# KiCad board cvbs-mipi-bridge.kicad_pcb (continued)
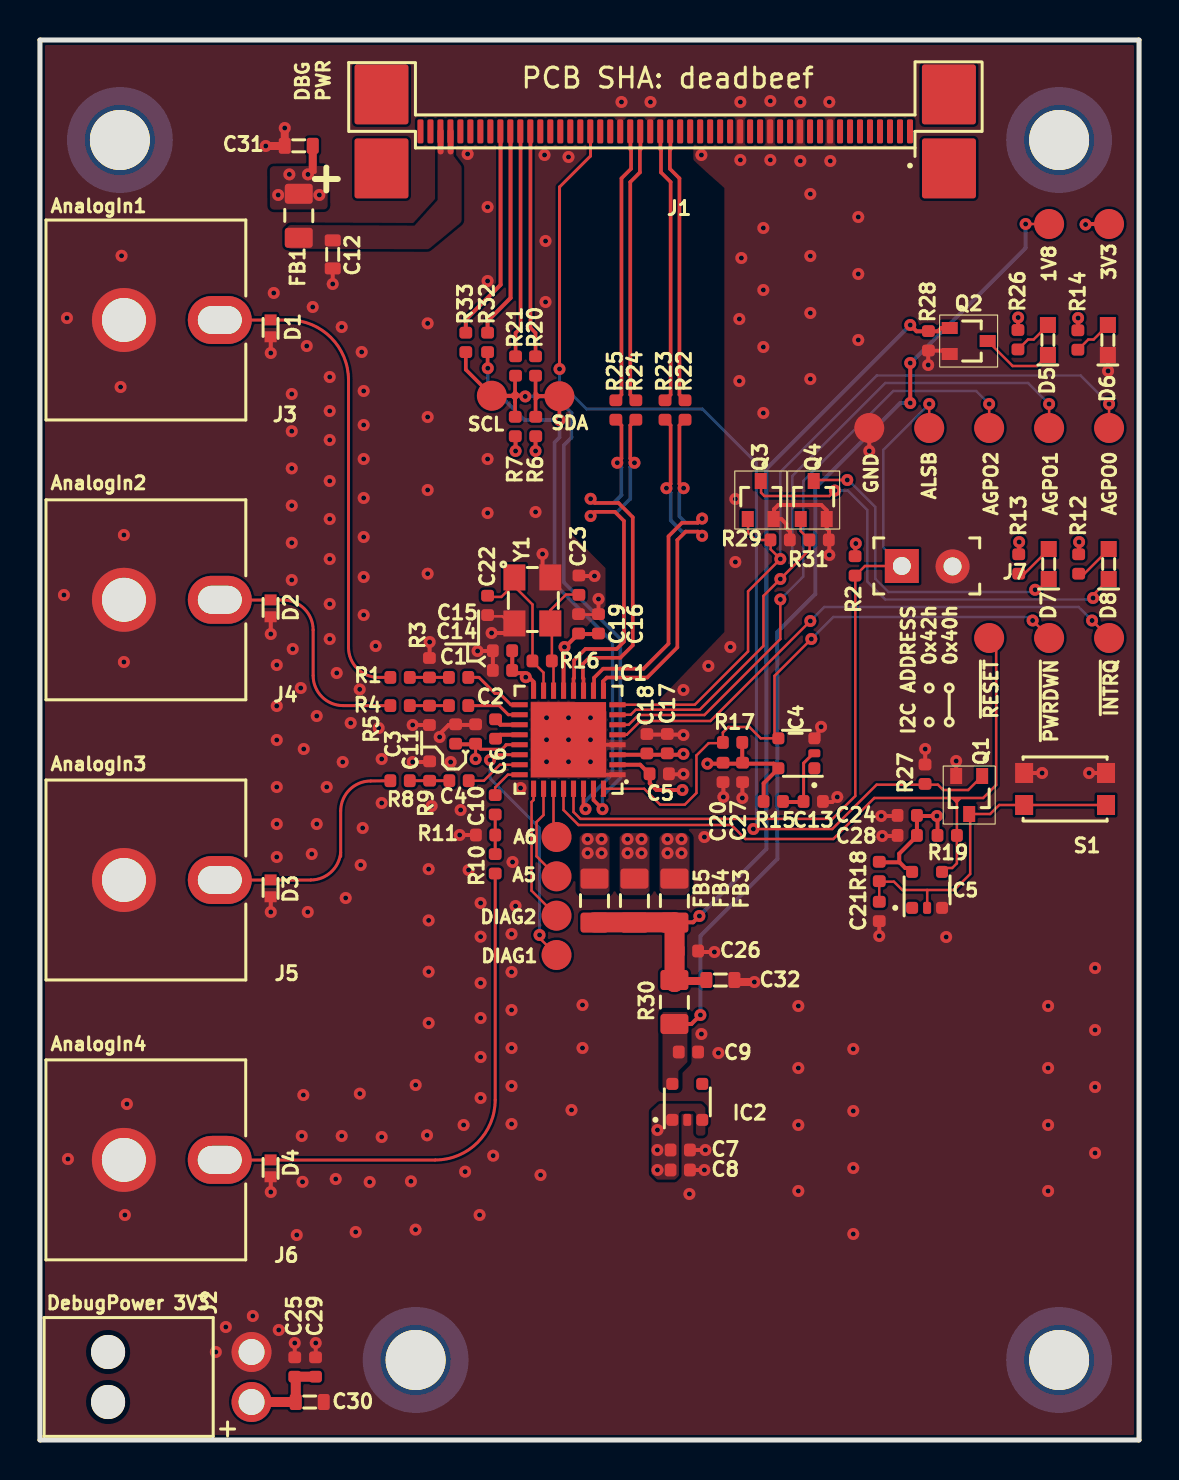
[diagram p0: board, top side]
## Library data of the parts (continued)
R27 = -: Author: Antmicro; License: Apache-2.0; MPN: CR0402-FX-1003GLF; Manufacturer: Bourns; Tolerance: 1%; Val: 100k; Field11: Author: Antmicro; Field12: License: Apache-2.0
R28 = -: Author: Antmicro; License: Apache-2.0; MPN: CR0402-FX-1003GLF; Manufacturer: Bourns; Tolerance: 1%; Val: 100k; Field10: Author: Antmicro; Field12: License: Apache-2.0
R29 = -: Author: Antmicro; License: Apache-2.0; MPN: CR0402-FX-1003GLF; Manufacturer: Bourns; Tolerance: 1%; Val: 100k; Field10: License: Apache-2.0; Field12: Author: Antmicro
R30 = -: Author: Antmicro; Current: 2.5A; License: Apache-2.0; MPN: CRCW08050000Z0EA; Manufacturer: Vishay; Val: 0R; Field11: License: Apache-2.0; Field12: Author: Antmicro
R31 = -: Author: Antmicro; License: Apache-2.0; MPN: CR0402-FX-1003GLF; Manufacturer: Bourns; Tolerance: 1%; Val: 100k; Field10: License: Apache-2.0; Field11: Author: Antmicro
REF** = -: Field5: License: Apache-2.0; Field6: Author: Antmicro
REF**#2 = -: Field4: License: Apache-2.0; Field5: Author: Antmicro
S1 = -: Author: Antmicro; License: Apache-2.0; MPN: KMR211NGLFS; Manufacturer: C&K; Field9: License: Apache-2.0; Field10: Author: Antmicro
TP1 TP3 TP6 TP7 = -: Author: Antmicro; License: Apache-2.0; Field8: License: Apache-2.0; Field9: Author: Antmicro
TP2 TP5 TP16 = -: Author: Antmicro; License: Apache-2.0; Field8: Author: Antmicro; Field9: License: Apache-2.0
TP4 TP11 TP15 = -: Author: Antmicro; License: Apache-2.0; Field9: Author: Antmicro; Field10: License: Apache-2.0
TP8 TP10 TP12 = -: Author: Antmicro; License: Apache-2.0; Field8: License: Apache-2.0; Field10: Author: Antmicro
TP9 TP13 TP14 = -: Author: Antmicro; License: Apache-2.0; Field8: Author: Antmicro; Field10: License: Apache-2.0
Y1 = -: Author: Antmicro; License: Apache-2.0; MPN: ABM8G-28.63636MHZ-18-D2Y-T; Manufacturer: Abracon; Field8: Author: Antmicro; Field10: License: Apache-2.0

## Footprints (pads in the part's own frame, mm; a bottom-side part is the same pattern mirrored in y, then rotated)
C_0402_1005Metric
  rrect 0.59x0.64 smd: 1(-0.484,0) 2(0.484,0)
C_0603_1608Metric
  rrect 0.6x0.8 smd: 1(-0.7,0) 2(0.7,0)
FB_0805_2012Metric
  rrect 1x1.4 smd: 1(-1.1,0.001) 2(1.1,0.001)
LED_0603_1608Metric_G
  rect 0.8x0.8 smd: 1(-0.75,0) 2(0.75,0)
LFCSP-32-1EP-5x5mm
  rrect 1.678x1.678 smd: (-0.941,0.941)
  rrect 1.678x1.679 smd: (-0.941,-0.94)
  rrect 1.679x1.678 smd: (0.94,0.941)
  rrect 1.679x1.679 smd: (0.94,-0.94)
  rect 0.813x0.254 smd: 1(-2.452,1.75) 2(-2.452,1.25) 3(-2.452,0.751) 4(-2.452,0.25) 5(-2.452,-0.248) 6(-2.452,-0.749) 7(-2.452,-1.249) 8(-2.452,-1.749) 17(2.451,-1.749) 18(2.451,-1.249) 19(2.451,-0.749) 20(2.451,-0.248) 21(2.451,0.25) 22(2.451,0.751) 23(2.451,1.25) 24(2.451,1.75)
  rect 0.254x0.813 smd: 9(-1.75,-2.451) 10(-1.25,-2.451) 11(-0.751,-2.451) 12(-0.25,-2.451) 13(0.248,-2.451) 14(0.749,-2.451) 15(1.249,-2.451) 16(1.749,-2.451) 25(1.749,2.452) 26(1.249,2.452) 27(0.749,2.452) 28(0.248,2.452) 29(-0.25,2.452) 30(-0.751,2.452) 31(-1.25,2.452) 32(-1.75,2.452)
  rect 3.759x3.759 smd: 33(0,0)
Oscillator_SMD_Geyer_KX-7-4Pin_3.2x2.5mm
  rrect 1.3x1.1 smd: 1(-1.101,-0.949)
  rect 1.3x1.1 smd: 2(1.199,-0.949) 3(1.199,0.85) 4(-1.101,0.85)
PinHeader_1x2_P2.5mm_Drill1.1mm_Shrouded_Latch
  round 1.71 hole 1.7 unplated: (-2.5,-7.179) (0,-7.179)
  round 2 hole 1.3: 1(0,0) 2(-2.5,0)
PinHeader_1x2_P2.54_Drill0.9mm
  rect 1.7x1.7 hole 0.9: 1(0,0)
  round 1.7 hole 0.9: 2(2.539,-0.02)
R_0402_1005Metric
  rrect 0.59x0.64 smd: 1(-0.485,0) 2(0.485,0)
R_0805_2012Metric
  rrect 1x1.4 smd: 1(-1.1,0.001) 2(1.1,0.001)
RCA_PHONO_JACK_KLPX-0848A-2-Y
  round 3.2 hole 2.2: 1(0,0)
  oval 3.2x2.4 hole 2.2x1.4: 2(4.799,0)
SC70-3
  rect 0.8x0.6 smd: 1(-0.95,0.65) 2(-0.95,-0.65) 3(0.95,0)
SC-70-5
  rrect 0.6x0.6 smd: 1(-0.756,-0.893) 3(0.743,-0.893) 4(0.743,0.907) 5(-0.756,0.907)
  rrect 0.4x0.6 smd: 2(-0.006,-0.893)
SLP1006P2T
  rect 0.55x0.6 smd: 1(-0.421,0) 2(0.425,0)
Spacer_SMD_M2_H3mm_Wurth_9774030243R
  custom 2.227x2.227 smd: (-1.453,-1.453) (-1.453,1.453) (1.453,-1.453) (1.453,1.453)
  round 3 hole 3 unplated: (0,0)
  round 5.3 smd: 1(0,0)
SW_SPST_4.2x2.8
  rect 0.9x1 smd: 1(2.048,0.802) 2(2.048,-0.8) 3(-2.05,0.802) 4(-2.05,-0.8)
TP_SMD_1.5mm
  round 1.5 smd: 1(0,0)
WE_68715014522
  rrect 0.3x1.2 smd: 1(-12.25,2.15) 2(-11.75,2.15) 3(-11.25,2.15) 4(-10.75,2.15) 5(-10.25,2.15) 6(-9.75,2.15) 7(-9.25,2.15) 8(-8.75,2.15) 9(-8.25,2.15) 10(-7.75,2.15) 11(-7.25,2.15) 12(-6.75,2.15) 13(-6.25,2.15) 14(-5.75,2.15) 15(-5.25,2.15) 16(-4.75,2.15) 17(-4.25,2.15) 18(-3.75,2.15) 19(-3.25,2.15) 20(-2.75,2.15) 21(-2.25,2.15) 22(-1.75,2.15) 23(-1.25,2.15) 24(-0.75,2.15) 25(-0.25,2.15) 26(0.248,2.15) 27(0.748,2.15) 28(1.249,2.15) 29(1.749,2.15) 30(2.249,2.15) 31(2.749,2.15) 32(3.249,2.15) 33(3.749,2.15) 34(4.248,2.15) 35(4.748,2.15) 36(5.248,2.15) 37(5.749,2.15) 38(6.249,2.15) 39(6.749,2.15) 40(7.249,2.15) 41(7.749,2.15) 42(8.249,2.15) 43(8.749,2.15) 44(9.249,2.15) 45(9.749,2.15) 46(10.249,2.15) 47(10.749,2.15) 48(11.249,2.15) 49(11.749,2.15) 50(12.249,2.15)
  rrect 2.7x3 smd: ~(-14.201,4) ~(-14.198,0.3) ~(14.198,4) ~(14.198,0.3)

## Nets
1V8_SYS: C26.1 C32.1 FB3.1 FB4.1 FB5.1 Q2.1 R28.2 R30.2
3V3_SYS: C5.1 C7.1 C8.1 C20.1 C24.2 C25.1 C27.2 C28.1 C29.1 C30.1 C31.1 FB1.1 IC1.2 IC2.1 IC2.3 IC4.5 IC5.5 J2.1 R2.1 R6.2 R7.2 R12.2 R13.2 R14.1 R15.2 R17.2 R18.2 R19.2 R26.1 TP5.1
AVDD_1V8: C14.1 C15.2 FB4.2 IC1.16
DGND: C3.2 C5.2 C7.2 C8.2 C9.2 C11.1 C12.2 C13.1 C14.2 C15.1 C16.2 C17.2 C18.1 C19.2 C20.2 C21.2 C22.2 C23.2 C24.1 C25.2 C26.2 C27.1 C28.2 C29.2 C30.2 C31.2 C32.2 D1.1 D2.1 D3.1 D4.1 D6.2 IC1.1 IC1.4 IC1.33 IC2.2 IC4.3 IC5.3 J1.9 J1.12 J1.15 J1.18 J1.27 J1.30 J2.2 J3.1 J4.1 J5.1 J6.1 J7.2 Q1.2 Q2.2 Q3.2 Q4.2 R3.1 R5.1 R9.1 R11.1 R27.1 R28.1 R29.1 R31.1 S1.1 S1.3 TP13.1 Y1.2 Y1.4
DVDD_1V8: C16.1 C17.1 C18.2 C19.1 FB3.2 IC1.3 IC1.13
PVDD_1V8: C3.1 C11.2 FB5.2 IC1.21
/AGPO0: IC1.8 Q3.1 R29.2 TP11.1
/AGPO1: IC1.7 Q4.1 R31.2 TP10.1
/AGPO2: IC1.6 TP1.1
/AIN1: C1.2 IC1.17
/AIN1_C: C1.1 R1.2 R3.2
/AIN1_ESD: D1.2 J3.2 R1.1
/AIN2: C2.2 IC1.18
/AIN2_C: C2.1 R4.2 R5.2
/AIN2_ESD: D2.2 J4.2 R4.1
/AIN3: C4.2 IC1.23
/AIN3_C: C4.1 R8.2 R9.2
/AIN3_ESD: D3.2 J5.2 R8.1
/AIN4: C10.2 IC1.24
/AIN4_C: C10.1 R10.2 R11.2
/AIN4_ESD: D4.2 J6.2 R10.1
/ALSB: IC1.29 J7.1 R2.2 TP12.1
/CSI_A_CLK_N: IC1.12 R24.1
/CSI_A_CLK_P: IC1.11 R25.1
/CSI_A_CLK_R_N: J1.28 R24.2
/CSI_A_CLK_R_P: J1.29 R25.2
/CSI_A_D0_N: IC1.10 R22.1
/CSI_A_D0_P: IC1.9 R23.1
/CSI_A_D0_R_N: J1.25 R22.2
/CSI_A_D0_R_P: J1.26 R23.2
/PWRDWN: IC1.32 IC4.4 R17.1 TP9.1
/RESET: IC1.28 IC5.4 R19.1 TP8.1
/RST_IN: J1.33 Q1.1 R27.2
/SCL: IC1.31 R7.1 R21.1 R33.1 TP7.1
/SDA: IC1.30 R6.1 R20.1 R32.1 TP6.1
/VREFN: C6.2 IC1.20
/VREFP: C6.1 IC1.19
/XTAL_N: C22.1 IC1.15 R16.1 Y1.1
/XTAL_P: C23.1 IC1.14 R16.2 Y1.3
/~{INTRQ}: IC1.5 TP2.1
Net-(C9-Pad1): C9.1 IC2.5 R30.1 TP3.1
Net-(C12-Pad1): C12.1 FB1.2 J1.47 J1.48
Net-(C13-Pad2): C13.2 IC4.2 R15.1
Net-(C21-Pad1): C21.1 IC5.2 Q1.3 R18.1 S1.2 S1.4
Net-(D5-Pad1): D5.1 R26.2
Net-(D5-Pad2): D5.2 Q2.3
Net-(D6-Pad1): D6.1 R14.2
Net-(D7-Pad1): D7.1 R13.1
Net-(D7-Pad2): D7.2 Q4.3
Net-(D8-Pad1): D8.1 R12.1
Net-(D8-Pad2): D8.2 Q3.3
Net-(IC1-Pad22): IC1.22 TP4.1
Net-(IC1-Pad25): IC1.25 TP14.1
Net-(IC1-Pad26): IC1.26 TP15.1
Net-(IC1-Pad27): IC1.27 TP16.1
Net-(J1-Pad39): J1.39 R20.2
Net-(J1-Pad40): J1.40 R21.2
Net-(J1-Pad41): J1.41 R32.2
Net-(J1-Pad42): J1.42 R33.2

Pads without a net: IC2 4; IC4 1; IC5 1; J1 1 2 3 4 5 6 7 8 10 11 13 14 16 17 19 20 21 22 23 24 31 32 34 35 36 37 38 43 44 45 46 49 50 ~; MP1 1; MP2 1; MP3 1; MP4 1

## Via types
v1: diameter 0.6, hole 0.25, Top to Bottom, 295 vias

## Routing (per net, layer and track width the routed paths; a pad name or vN(x,y) marks a point on that pad's centre or on a via; arc(x,y) is an arc through that point)
1V8_SYS: length 46.1
  Top w0.2: 31.75,25.88 32.68,25.88 v1(33,26.2) ; v1(43.55,55.75) 43.86,55.44 44.93,55.44 45.1,55.6 45.52,55.6 ; 31.8,22.95 31.75,22.9
  Top w0.4: 33.35,22.95 31.8,22.95
  Top w1: 31.75,22.9 31.75,22.9 31.75,25.88 27.75,25.88
  Bottom w0.2: v1(33,26.2) 36.35,29.55 36.35,48.55 v1(43.55,55.75)
3V3_SYS: length 28.8
  Top w0.2: 28.9,33.76 30.04,33.76 30.52,33.28 30.52,32.83 30.85,32.5 v1(32.15,32.5) ; 13.65,63.5 13.75,63.4 ; 42,28.89 42.98,28.89 43,28.9 ; v1(52.33,60.78) 52.35,60.8 TP5.1 ; 40.8,44.19 40.8,44.8 v1(40.83,44.83) ; 43,28.9 43,29.31 43.89,30.2 43.89,31.2 v1(44.89,31.2) 44.92,31.17 44.92,30.2 ; 43,28.9 43.3,28.6 43.75,28.6 ; 48.95,55.5 v1(48.95,56.12) ; v1(23.8,49.45) 23.8,50.19 ; 52,44.28 v1(52,44.9) ; 36.21,31.9 36.21,32.83 36.95,33.57 IC4.5 36.72,33.82 v1(33.4,33.82) ; v1(24.8,49.45) 24.8,50.19 ; 51.95,55.48 v1(51.95,56.1) ; 35.14,34.84 35.14,33.84 ; 49,44.28 v1(49,44.9)
  Top w0.4: 13.65,64.7 13.65,63.5
  Top w0.5: J2.1 10.59,1.9 ; 10.65,1.9 C30.1 12.8,3.11 12.75,3.17 13.79,3.17
  vias: v1(11.92,62.25) v1(12.48,63.28) v1(13.41,63.28) v1(13.98,62.25) v1(30.9,15.5) v1(30.9,14.5) v1(30.9,13.5)
AVDD_1V8: length 15.8
  Top w0.2: IC1.16 24.7,37.91 24.26,38.34 23.7,38.34 23.7,38.35 ; 23.64,39.44 23.64,38.45
  In2.Cu w1: 29.8,29.8 29.5,30.1 29.5,37.3 28.66,38.14 v1(24.31,38.14)
  vias: v1(29.4,30.04) v1(29.4,29.34) v1(30.1,30.04) v1(30.1,29.34)
DGND: length 48.5
  Top w0.125: 22.39,41.18 23.14,41.18 23.74,40.58
  Top w0.15: 26.93,41.27 27.95,41.27
  Top w0.2: v1(27.95,42.05) 27.95,41.25 ; v1(42.15,30.2) 42.95,30.2 ; v1(11.55,26.4) 11.55,27.2 ; v1(11.55,54.35) 11.55,55.15 11.55,55.15 ; v1(11.55,40.3) 11.55,41.1 ; 21.8,35.75 20.45,35.75 20,35.3 v1(20,35.15) ; v1(32.2,35.25) 32.18,35.27 30.38,35.27 ; 28.2,33.26 29,33.26 ; 34.8,22.9 34.75,22.95 ; v1(50.15,33.35) 49.35,33.35 ; v1(53.45,53.45) 53.45,54.25 ; v1(13.8,4.85) 13.8,4.05 ; v1(14.65,57.8) 14.65,58.6 ; 39.18,31.9 39.65,31.9 v1(39.9,32.15) ; 44.48,54.47 45.36,54.47 45.52,54.3 ; 27.05,34.76 29,34.76 ; 38.96,34.99 38.96,35.53 v1(39.09,35.66) ; v1(27.75,43.2) 26.95,43.2 ; v1(39.5,44.25) 39.5,45.05 ; v1(44.45,53.75) 44.45,54.55 ; v1(18.65,33.9) 19.45,33.9 ; v1(19.5,39.9) 19.5,39.1 ; v1(25.15,44.3) 25.15,43.5 ; v1(52.5,33.35) 53.3,33.35 ; v1(41.5,49.45) 41.5,50.25 ; v1(34.2,32.15) 34.2,32.95 ; 22.67,38.45 22.67,38.45 22.67,39.44 ; v1(42.1,31.2) 42.9,31.2 ; v1(32.2,33.3) 32.18,33.28 31.49,33.28 ; v1(35.15,32.1) 35.15,32.9 ; v1(12.75,4.85) 12.75,4.05 ; 39.48,45 39.48,45.47 39.37,45.58 39.37,46.48 39.1,46.75 36.95,46.75 36.73,46.53 36.73,46.05 37.1,46.05 37.35,45.8 37.35,45.6 37.54,45.42 37.54,45 ; v1(33.25,13.5) 32.45,13.5 ; v1(22.6,40.35) 23.4,40.35 ; v1(33.75,24.4) 32.95,24.4 ; v1(44.3,34.55) 44.3,33.75 ; v1(21,30.25) 21.8,30.25 ; v1(21.9,39.45) 22.7,39.45 ; v1(18.65,35.75) 19.45,35.75 ; v1(33.3,14.5) 32.5,14.5 ; v1(11.55,12.4) 11.55,13.2 ; v1(42,25.2) 42,26 ; v1(45.85,33.95) 45.85,33.15
  Top w0.4: v1(12.25,65.6) 12.25,64.7 v1(11.3,64.7) ; v1(35.75,22.9) 34.8,22.9
  vias: v1(1.2,42.25) v1(1.35,56.1) v1(1.4,14.05) v1(4.03,52.65) v1(4.08,59.21) v1(4.2,45.25) v1(4.2,38.9) v1(4.35,16.8) v1(4.25,11.25) v1(8.8,4.4) v1(9.3,5.65) v1(10.65,6.2) v1(11.7,57.35) v1(11.85,38.75) v1(11.85,36.7) v1(11.85,35) v1(11.85,32.65) v1(11.85,30.8) v1(11.85,29.15) v1(11.95,5.5) v1(12.6,52.3) v1(12.6,50.44) v1(12.6,48.58) v1(12.6,46.72) v1(12.6,44.86) v1(12.6,43) v1(12.65,39.55) v1(12.85,10.25) v1(13.05,37.6) v1(13.1,15.2) v1(13.14,12.91) v1(13.2,34.55) v1(13.18,17.25) v1(13.35,54.7) v1(13.4,26.4) v1(13.65,56.65) v1(13.6,29.3) v1(13.85,36.2) v1(13.85,30.8) v1(14.35,32.65) v1(14.5,53.15) v1(14.5,51.45) v1(14.5,50) v1(14.5,47.95) v1(14.5,46.05) v1(14.5,44.05) v1(14.5,41.8) v1(14.5,40.05) v1(14.85,38.35) v1(14.8,13.05) v1(15.1,55.65) v1(15.15,33.9) v1(15.1,15.2) v1(15.3,27.1) v1(15.55,35.85) v1(15.8,10.4) v1(16,37.53) v1(16.01,17.32) v1(16.1,54.4) v1(16.15,30.6) v1(16.05,28.75) v1(16.2,52.45) v1(16.2,50.75) v1(16.2,49.05) v1(16.2,47.1) v1(16.2,45.15) v1(16.2,43.15) v1(16.2,41.25) v1(16.5,12.9) v1(16.8,39.7) v1(16.95,35.6) v1(17.1,34.05) v1(17.1,31.85) v1(17.1,15.15) v1(18.56,12.93) v1(18.8,17.75) v1(18.79,10.52) v1(19.4,55.83) v1(19.4,51.15) v1(19.4,47.5) v1(19.4,43.31) v1(19.37,15.24) v1(19.45,28.54) v1(19.45,25.98) v1(19.45,23.41) v1(19.45,20.85) v1(19.6,31.7) v1(20.55,33.9) v1(21.05,31.5) v1(21.2,15.75) v1(21.28,13.42) v1(21.4,64.3) v1(21.45,28.5) v1(22,11.25) v1(22.05,26.85) v1(22.05,25.17) v1(22.05,22.85) v1(22.05,21.1) v1(22.05,19.15) v1(22.05,17.1) v1(22.4,61.65) v1(22.4,57.95) v1(22.4,49.05) v1(22.4,46.35) v1(22.68,14.22) v1(23.65,28.9) v1(23.6,25.3) v1(23.6,23.4) v1(23.6,21.5) v1(23.6,19.6) v1(23.6,17.7) v1(23.6,15.8) v1(23.8,26.7) v1(24.05,32.6) v1(24.8,46.4) v1(25.05,13.25) v1(25.25,64.25) v1(25.3,59.95) v1(25.3,56.9) v1(25.35,36.11) v1(25.35,35.01) v1(25.35,33.91) v1(26.45,36.11) v1(26.45,35.01) v1(26.45,33.91) v1(26.45,64.15) v1(26.6,16.5) v1(27.15,21.75) v1(27.15,19.6) v1(27.55,36.11) v1(27.55,35.01) v1(27.55,33.91) v1(29.1,66.9) v1(30.55,66.9) v1(32.2,37.5) v1(32.5,12.3) v1(33.1,64.25) v1(33.1,20.3) v1(33.25,30.15) v1(33.45,38.7) v1(33.95,19.35) v1(34.55,39.65) v1(34.8,47.05) v1(34.8,43.9) v1(35,56.05) v1(35,52.95) v1(35.05,66.9) v1(35.05,64) v1(35.1,59.1) v1(36.2,60.6) v1(36.2,57.5) v1(36.2,54.65) v1(36.2,51.35) v1(36.55,66.95) v1(36.55,64) v1(37.95,21.7) v1(37.95,18.6) v1(37.95,15.75) v1(37.95,12.45) v1(38.05,66.9) v1(38.05,63.95) v1(38.55,62.3) v1(38.55,59.2) v1(38.55,56.35) v1(38.55,53.05) v1(39.5,66.9) v1(39.55,63.95) v1(40.7,19.55) v1(40.7,16.45) v1(40.7,13.6) v1(40.7,10.3) v1(40.95,61.15) v1(40.95,58.3) v1(40.95,55) v1(45.35,25.15) v1(50.45,21.7) v1(50.45,18.6) v1(50.45,15.75) v1(50.45,12.45) v1(52.8,23.6) v1(52.8,20.5) v1(52.8,17.65) v1(52.8,14.35)
DVDD_1V8: length 23.4
  Top w0.125: v1(32.2,34.31) 32.2,34.3
  Top w0.2: v1(32.2,34.31) 32.16,34.26 28.9,34.26 ; 26.2,37.46 26.2,39.56 26.93,40.3 27.95,40.3
  In2.Cu w0.125: 32.04,30.11 v1(32.1,30.04)
  In2.Cu w1: 30.75,34.2 30.75,37.9 29.3,39.35 26.55,39.35 v1(26.25,39.65) ; 30.75,34.2 30.86,34.31 v1(32.2,34.31) ; 30.75,34.2 30.75,31.2 31.7,30.25 31.7,29.75 v1(32.1,29.34)
  vias: v1(31.4,30.04) v1(31.4,29.34)
PVDD_1V8: length 13
  Top w0.15: v1(21.8,34.05) 21.8,34.78 21.8,34.78 22.05,34.54 23.12,34.54 23.32,34.74 23.32,34.76 IC1.21
  Top w0.2: 21.8,34.78 20.8,34.78
  In2.Cu w1: 27.8,29.6 24.5,29.6 21.6,32.5 21.6,34
  vias: v1(27.4,30.04) v1(27.4,29.34) v1(28.1,30.04) v1(28.1,29.34)
/AGPO0: length 40.6
  Top w0.125: 28.9,36.76 32.77,36.76 35.43,39.43 35.43,42.44 v1(37.05,44.05) 36.56,44.53 36.56,45 35.8,45 35.43,45.36 35.43,46.05 ; TP11.1 v1(53.5,51.8)
  Bottom w0.125: v1(37.05,44.05) 37.05,48.4 41.87,53.22 52.08,53.22 v1(53.5,51.8)
/AGPO1: length 38
  Top w0.125: Q4.1 38.07,45.44 38.52,45 38.52,44.52 v1(37.05,43.05) 36.2,42.2 36.2,39.7 33.01,36.51 29.81,36.51 29.56,36.26 28.9,36.26 ; TP10.1 v1(50.5,51.8)
  Bottom w0.125: v1(50.5,51.8) 49.45,52.85 42.3,52.85 37.65,48.2 37.65,43.65 v1(37.05,43.05)
/AGPO2: length 30.9
  Top w0.125: v1(37.05,42.03) 37.05,40.05 33.25,36.25 29.95,36.25 29.46,35.76 28.9,35.76 ; v1(47.5,51.8) TP1.1
  Bottom w0.125: v1(37.05,42.03) 38.2,43.18 38.2,47.95 42.7,52.45 46.85,52.45 v1(47.5,51.8)
/AIN1: length 3.1
  Top w0.15: 24,36.76 23.57,36.76 23,37.33 22.77,37.33 21.97,38.13 21.43,38.13
/AIN1_C: length 2
  Top w0.15: R1.2 20.46,38.13
/AIN1_ESD: length 24.5
  Top w0.15: 17.54,38.13 16.94,38.13 arc(15.88,38.57) 15.44,39.63 15.44,53 arc(14.56,55.12) 12.44,56 J3.2
/AIN2: length 2.6
  Top w0.15: 21.61,36.72 22.98,36.72 23.44,36.26 24,36.26
/AIN2_C: length 2
  Top w0.15: R4.2 R5.2 20.46,36.72
/AIN2_ESD: length 12.5
  Top w0.15: 9,42 12.17,42 arc(13.23,41.56) 13.67,40.5 13.67,38.22 arc(14.11,37.16) 15.17,36.72 17.54,36.72
/AIN3: length 2.7
  Top w0.125: 21.64,32.97 22.21,32.97 23.01,33.76 IC1.23
/AIN3_C: length 2
  Top w0.15: 20.64,32.97 18.65,32.97
/AIN3_ESD: length 12.5
  Top w0.15: 15.05,29.18 15.05,31.45 ; 17.68,32.97 16.55,32.95 arc(15.49,32.51) 15.05,31.45 ; J5.2 13.55,28 arc(14.57,28.4) 15.05,29.38
/AIN4: length 1.9
  Top w0.125: C10.2 22.78,32.63 23.41,33.26 IC1.24
/AIN4_C: length 2
  Top w0.15: C10.1 R10.2
/AIN4_ESD: length 26.8
  Top w0.15: R10.1 22.78,17 arc(21.9,14.88) 19.78,14 9,14
/ALSB: length 40.1
  Top w0.125: TP12.1 v1(44.5,51.8) ; IC1.29 26.7,31.4 27.04,31.06 39.66,31.06 40.8,32.2 40.8,43.22 41.29,43.7 J7.1
  Bottom w0.125: J7.1 42.2,44.63 42.2,49.5 v1(44.5,51.8)
/CSI_A_CLK_N: length 19
  Top w0.182: v1(29.75,48.86) 29.54,49.07 29.54,50.74 R24.1 ; v1(27.55,46.2) 27.76,46.41 28.77,46.41 29.22,45.96 29.22,39.92 28.86,39.55 27.3,39.55 26.73,38.98 26.73,38.1 26.7,38.07 IC1.12
  Bottom w0.182: v1(29.75,48.86) 29.54,48.65 29.54,47.06 28.89,46.41 27.76,46.41 v1(27.55,46.2)
/CSI_A_CLK_P: length 19
  Top w0.182: v1(28.89,48.86) 29.1,49.07 29.1,50.74 R25.1 ; v1(27.55,47.06) 27.76,46.85 28.95,46.85 29.66,46.14 29.66,39.73 29.04,39.11 27.48,39.11 27.17,38.8 27.17,38.1 27.2,38.07 IC1.11
  Bottom w0.182: v1(28.89,48.86) 29.1,48.65 29.1,47.24 28.71,46.85 27.76,46.85 v1(27.55,47.06)
/CSI_A_CLK_R_N: length 13.8
  Top w0.182: R24.2 29.54,52.26 29.54,62.9 30.02,63.38 30.02,64.5 30.05,64.52 30.05,65.42
/CSI_A_CLK_R_P: length 13.8
  Top w0.182: R25.2 29.1,52.26 29.1,63.08 29.58,63.56 29.58,64.5 29.55,64.52 29.55,65.42
/CSI_A_D0_N: length 19
  Top w0.182: IC1.10 27.7,37.74 27.73,37.77 27.73,38.11 28.18,38.57 30.2,38.57 31.45,39.82 31.45,45.18 32.13,45.86 32.93,45.86 v1(33.14,46.07) ; R22.1 32,50.74 32,47.8 v1(32.21,47.59)
  Bottom w0.182: v1(32.21,47.59) 32,47.38 32,46.17 32.31,45.86 32.93,45.86 v1(33.14,46.07)
/CSI_A_D0_P: length 19
  Top w0.182: v1(31.35,47.59) 31.56,47.8 31.56,50.74 R23.1 ; v1(33.14,45.21) 32.93,45.42 32.32,45.42 31.9,45 31.9,39.63 30.39,38.12 28.37,38.12 28.17,37.93 28.17,37.77 28.2,37.74 IC1.9
  Bottom w0.182: v1(33.14,45.21) 32.93,45.42 32.13,45.42 31.56,45.99 31.56,47.38 v1(31.35,47.59)
/CSI_A_D0_R_N: length 13.8
  Top w0.182: 31.55,65.42 31.55,64.52 31.52,64.5 31.52,63.56 32,63.08 32,52.26 R22.2
/CSI_A_D0_R_P: length 13.8
  Top w0.182: R23.2 31.56,52.26 31.56,62.9 31.08,63.38 31.08,64.5 31.05,64.52 31.05,65.42
/PWRDWN: length 30.9
  Top w0.125: IC1.32 30.24,32.56 31.03,31.77 32.27,31.77 32.85,32.35 32.85,34.23 33.46,34.84 34.17,34.84 34.17,35.37 34.45,35.65 35.5,35.65 36.07,35.08 IC4.4 36.76,35.28 36.76,38.21 v1(38.6,40.05) ; v1(49.67,40.97) 50.5,40.15
  Bottom w0.125: v1(49.67,40.97) 49.5,41.15 39.7,41.15 v1(38.6,40.05)
/RESET: length 36.5
  Top w0.125: 45.89,32.02 45.89,28.83 45.65,28.6 45.05,28.6 ; TP8.1 47.85,39.75 47.85,32.75 47.2,32.1 41.75,32.1 39.7,30.05 35.3,30.05 34.6,30.75 26.95,30.75 26.2,31.5 26.2,32.56
  Top w0.15: 46.03,32.08 45.87,31.92 45.71,32.08
/RST_IN: length 55.8
  Top w0.125: v1(35.7,30.55) 39.65,30.55 41.86,32.77 44.93,32.77 45.2,32.5 46.45,32.5 Q1.1
  Top w0.15: v1(26,53.55) 26,62.65 27.55,64.2 27.55,65.42
  Bottom w0.15: v1(35.7,30.55) 35.85,30.7 35.85,48.85 33.15,51.55 27.35,51.55 26,52.9 v1(26,53.55)
/SCL: length 34.9
  Top w0.182: 23.61,52.21 23.77,52.37 ; 23.61,52.21 TP7.1 ; 23.61,52.21 23.77,52.05 23.77,51.9 ; 23.77,52.37 23.77,53.19 ; 23.77,52.37 23.77,52.2 ; 23.77,52.39 23.93,52.23 ; 23.93,52.23 24.23,52.23 v1(24.28,52.18) ; 23.93,52.23 23.77,52.07 ; 23.77,52.2 23.77,52.1 ; 23.77,52.2 23.76,52.21 TP7.1 ; v1(28.15,31.54) 28.15,31.55 27.7,32 IC1.31 ; TP7.1 21.31,53.52 R33.1 ; TP7.1 23.66,52.21 23.77,52.1 ; 23.77,51.16 23.77,51.9 ; 23.77,51.9 23.77,52.1
  Bottom w0.182: v1(28.15,31.54) 28.15,32.2 29.05,33.1 29.05,40.05 26.21,42.89 26.21,49.73 26.6,50.12 26.6,51.35 25.77,52.18 v1(24.28,52.18)
/SDA: length 34.6
  Top w0.182: v1(22.41,53.59) 22.4,53.6 R32.1 ; 24.8,52.34 R20.1 ; 24.8,52.34 24.8,52.26 ; 24.8,52.34 24.95,52.19 ; 25.28,52.19 24.88,52.19 24.8,52.26 ; 25.28,52.19 24.95,52.19 ; 25.28,52.19 TP6.1 ; v1(27.3,31.55) 27.2,31.65 IC1.30 ; 24.8,52.03 24.8,52.26 ; 24.8,52.03 24.95,52.19 ; 24.8,52.03 24.8,51.16 ; TP6.1 25.99,51.01 v1(26,51) ; TP6.1 24.95,52.19
  Bottom w0.182: v1(27.3,31.55) 27.3,31.95 28.65,33.3 28.65,39.9 25.75,42.8 25.75,49.88 26,50.13 v1(26,51) 24.25,51 22.41,52.84 v1(22.41,53.59)
/VREFN: length 1.3
  Top w0.2: 22.8,35.03 23.03,35.26 24,35.26
/VREFP: length 1.3
  Top w0.2: 22.8,36 23.04,35.76 24,35.76
/XTAL_N: length 7.4
  Top w0.125: IC1.15 25.2,38.37 24.65,38.92 ; 23.74,42.81 23.09,42.15 22.39,42.15 ; 23.74,42.68 24.65,41.77 24.65,39
/XTAL_P: length 5.2
  Top w0.125: 25.54,40.83 25.54,41.49 26.32,42.27 26.97,42.27 ; IC1.14 25.7,38.84 ; 25.62,38.92 25.62,40.36
/~{INTRQ}: length 27.9
  Top w0.125: 28.9,35.26 29.36,35.26 30.05,35.95 33.55,35.95 v1(38.55,40.95) ; v1(52.65,40.97) 53.5,40.12
  Bottom w0.125: v1(52.65,40.97) 51.98,41.65 39.25,41.65 v1(38.55,40.95)
Net-(C9-Pad1): length 49.3
  Top w0.125: TP3.1 v1(49.33,60.8)
  Top w0.2: v1(43.55,53.85) v1(43.55,51.85) ; 31.75,20.8 32.6,20.8 v1(33.05,21.25)
  Bottom w0.2: v1(49.33,60.8) 49.33,59.6 43.58,53.85 v1(43.55,53.85) ; v1(43.55,51.85) 43.05,51.85 38.8,47.6 38.8,42.3 36.9,40.4 36.9,29.05 33.05,25.2 v1(33.05,21.25)
Net-(C12-Pad1): length 2
  Top w0.3: 20.55,65.42 20.55,64.42 ; 20.05,65.42 20.05,64.42
Net-(C13-Pad2): length 3.7
  Top w0.15: 38.21,31.9 38.21,33.84 38.71,34.34 IC4.2
  Top w0.2: 37.18,31.9 38.21,31.9
Net-(C21-Pad1): length 17.3
  Top w0.125: 44.4,27.5 45.75,27.5 46.55,28.3 46.55,31.4 ; 44.4,27.5 43.15,27.5 42.73,27.92 42,27.92 42,26.89 ; 44.4,27.5 44.4,26.4 ; 53.35,31.75 S1.4 48,31.75 47.55,31.3 Q1.3
Net-(D5-Pad1): length 2
  Top w0.125: 50.45,55.75 49.73,55.03 49.45,55.03 48.95,54.53
Net-(D5-Pad2): length 3.8
  Top w0.125: Q2.3 48.67,53.7 49.9,53.7 50.45,54.25
Net-(D6-Pad1): length 2
  Top w0.125: 53.45,55.75 52.73,55.03 52.46,55.03 51.95,54.52
Net-(D7-Pad1): length 2
  Top w0.125: 50.5,44.55 49.27,43.31 49,43.31
Net-(D7-Pad2): length 16.5
  Top w0.125: v1(40.4,48) 38.73,48 ; 50.5,43.05 49.96,42.51 v1(49.8,42.51)
  Bottom w0.125: v1(40.4,48) 40.45,48 41.8,46.65 41.8,43.06 42.46,42.4 49.69,42.4 v1(49.8,42.51)
Net-(D8-Pad1): length 2
  Top w0.125: 53.5,44.55 52.27,43.31 52,43.31
Net-(D8-Pad2): length 23
  Top w0.125: 53.5,43.05 52.7,42.25 v1(52.7,42.1) ; 36.08,47.95 36.08,47.36 36.25,47.2 39.51,47.2 v1(39.78,47.47)
  Bottom w0.125: v1(39.78,47.47) 40.43,47.47 41.4,46.5 41.4,42.92 42.3,42.03 52.62,42.03 v1(52.7,42.1)
Net-(IC1-Pad22): length 12.7
  Top w0.125: v1(25,25.25) 25,25.1 TP4.1
  Top w0.15: 24,34.26 23.23,34.26 23.23,34.26 22.79,34.26 v1(22.52,34)
  Bottom w0.15: v1(22.52,34) 22.52,33.08 25,30.6 v1(25,25.25)
Net-(IC1-Pad25): length 6.9
  Top w0.125: TP14.1 24.6,27.47 24.6,31.9 24.7,32 IC1.25
Net-(IC1-Pad26): length 4.9
  Top w0.125: TP15.1 24.85,29.18 24.85,30.9 25.2,31.25 IC1.26
Net-(IC1-Pad27): length 2.8
  Top w0.125: TP16.1 25.45,30.55 25.7,30.55 IC1.27
Net-(J1-Pad39): length 11.3
  Top w0.182: R20.2 24.8,55.35 24.55,55.6 24.55,55.6 24.55,65.42
Net-(J1-Pad40): length 11.3
  Top w0.182: 24.05,65.42 24.05,55.6 23.8,55.35 R21.2
Net-(J1-Pad41): length 10.5
  Top w0.2: 23.55,65.42 23.55,57.1 22.4,55.95 R32.2
Net-(J1-Pad42): length 10.8
  Top w0.2: 23.05,65.42 23.05,57.76 21.31,56.02 R33.2

## Copper pours and planes (outline as drawn; the poured copper is in the pictures)
3V3_SYS on Top: 31,16.81 33.1,16.81 33.3,16.61 33.3,15.31 33.2,15.22 32.92,15.22 32.83,15.31 32.83,16.31 32.73,16.44 32.1,16.44 31.98,16.34 31.98,13.22 31.77,13.02 30.9,13.02 30.6,13.3 30.6,16.45
3V3_SYS on Top: 14.4,61.53 11.51,61.52 11.5,63.69 14.38,63.7
3V3_SYS on In2.Cu: 55,-0.09 0,-0.09 0,70 55,70
AVDD_1V8 on Top: 30.3,27.24 29.2,27.24 29,27.44 29,30.14 29.2,30.34 30.3,30.34 30.5,30.14 30.5,27.44
AVDD_1V8 on In2.Cu: 30.5,29.1 30.3,28.9 29.2,28.9 29,29.1 29,30.4 30,30.9 30.5,30.4
DGND on Top: 55.13,-0.06 -0.11,0.24 0.02,69.99 54.98,69.98
DGND on Bottom: 55,69.95 55,0.05 0,0 0.05,70
DGND on In1.Cu: 55,0.19 0,0.19 0,70 55,70
DVDD_1V8 on Top: 32.3,27.24 31.2,27.24 31,27.44 31,30.14 31.2,30.34 32.3,30.34 32.5,30.14 32.5,27.44
DVDD_1V8 on In2.Cu: 32.55,29.15 32.3,28.9 31.2,28.9 31,29.1 31,30.4 31.6,31 32.55,30.4
PVDD_1V8 on Top: 28.3,27.24 27.2,27.24 27,27.44 27,30.14 27.2,30.34 28.3,30.34 28.5,30.14 28.5,27.44
PVDD_1V8 on In2.Cu: 28.5,28.9 27,28.9 27,30.4 28.5,30.4
Net-(C9-Pad1) on Top: 32.4,18.9 31.95,18.45 31.95,17.55 31.15,17.55 31.15,21.4 32.4,21.4
Net-(C12-Pad1) on Top: 21.1,60.9 19.45,59.54 12.37,59.56 12.36,60.75 18.74,60.72 19.9,62 19.9,64.55 20.7,64.55 20.7,64.2 21.1,63.67

## Text on the board
B.Silkscreen: DebugPower / 3V3 | FFC-50 MIPI CSI-2 Connector | AnalogIn1 | AnalogIn2 | AnalogIn3 | AnalogIn4 | J7 | RESET | S1
User.Drawings: Recommended PCB finish: | Gold plating (ENIG, selective) | Solder mask: matt black | Silkscreen: white | The design includes high speed signaling | Suggested prepreg material is ISOLA PR2116 | Layer | 1 | 2 | 3 | 4 | 5 | 6 | 7 | 8 | 9 | Name | Top Solder | Top Layer | Dielectric 1 | Power Plane 1 | Dielectric 2 | Power Plane 2 | Dielectric 3 | Bottom Layer | Bottom Solder | Material | Solder Resist | Copper | Prepreg | FR-4 | Thickness | 0.02  mm | 0.018 mm | 0.12  mm | 0.035 mm | 1.2   mm | Constant | 3.5 | 4.2 | Recommended PCB stackup
F.Mask: CVBS-MIPI Bridge / Rev. ${REVISION} 08/2023
F.Silkscreen: DebugPower 3V3 | AnalogIn1 | AnalogIn2 | AnalogIn3 | AnalogIn4 | SCL | DIAG2 | DIAG1 | A5 | A6 | SDA | DBG / PWR | GND | ALSB | I2C ADDRESS / 0x42h / 0x40h | AGPO2 | ~{RESET} | 1V8 | AGPO1 | ~{PWRDWN} | 3V3 | AGPO0 | ~{INTRQ} | PCB SHA: deadbeef | +
